# Altium PCB ESC_type_4_000.PcbDoc (part 2 of 3)
Units mil, origin at the board's own origin, x right, y up, seen from the top; angles counter-clockwise.
Board outline 2362.34 x 2362.34 mil, 4 copper layers (Top Layer, Signal Layer 1, Signal Layer 2, Bottom Layer), stack 65.634 mil thick; 132 components, 95 nets, 493 pads, 625 vias.
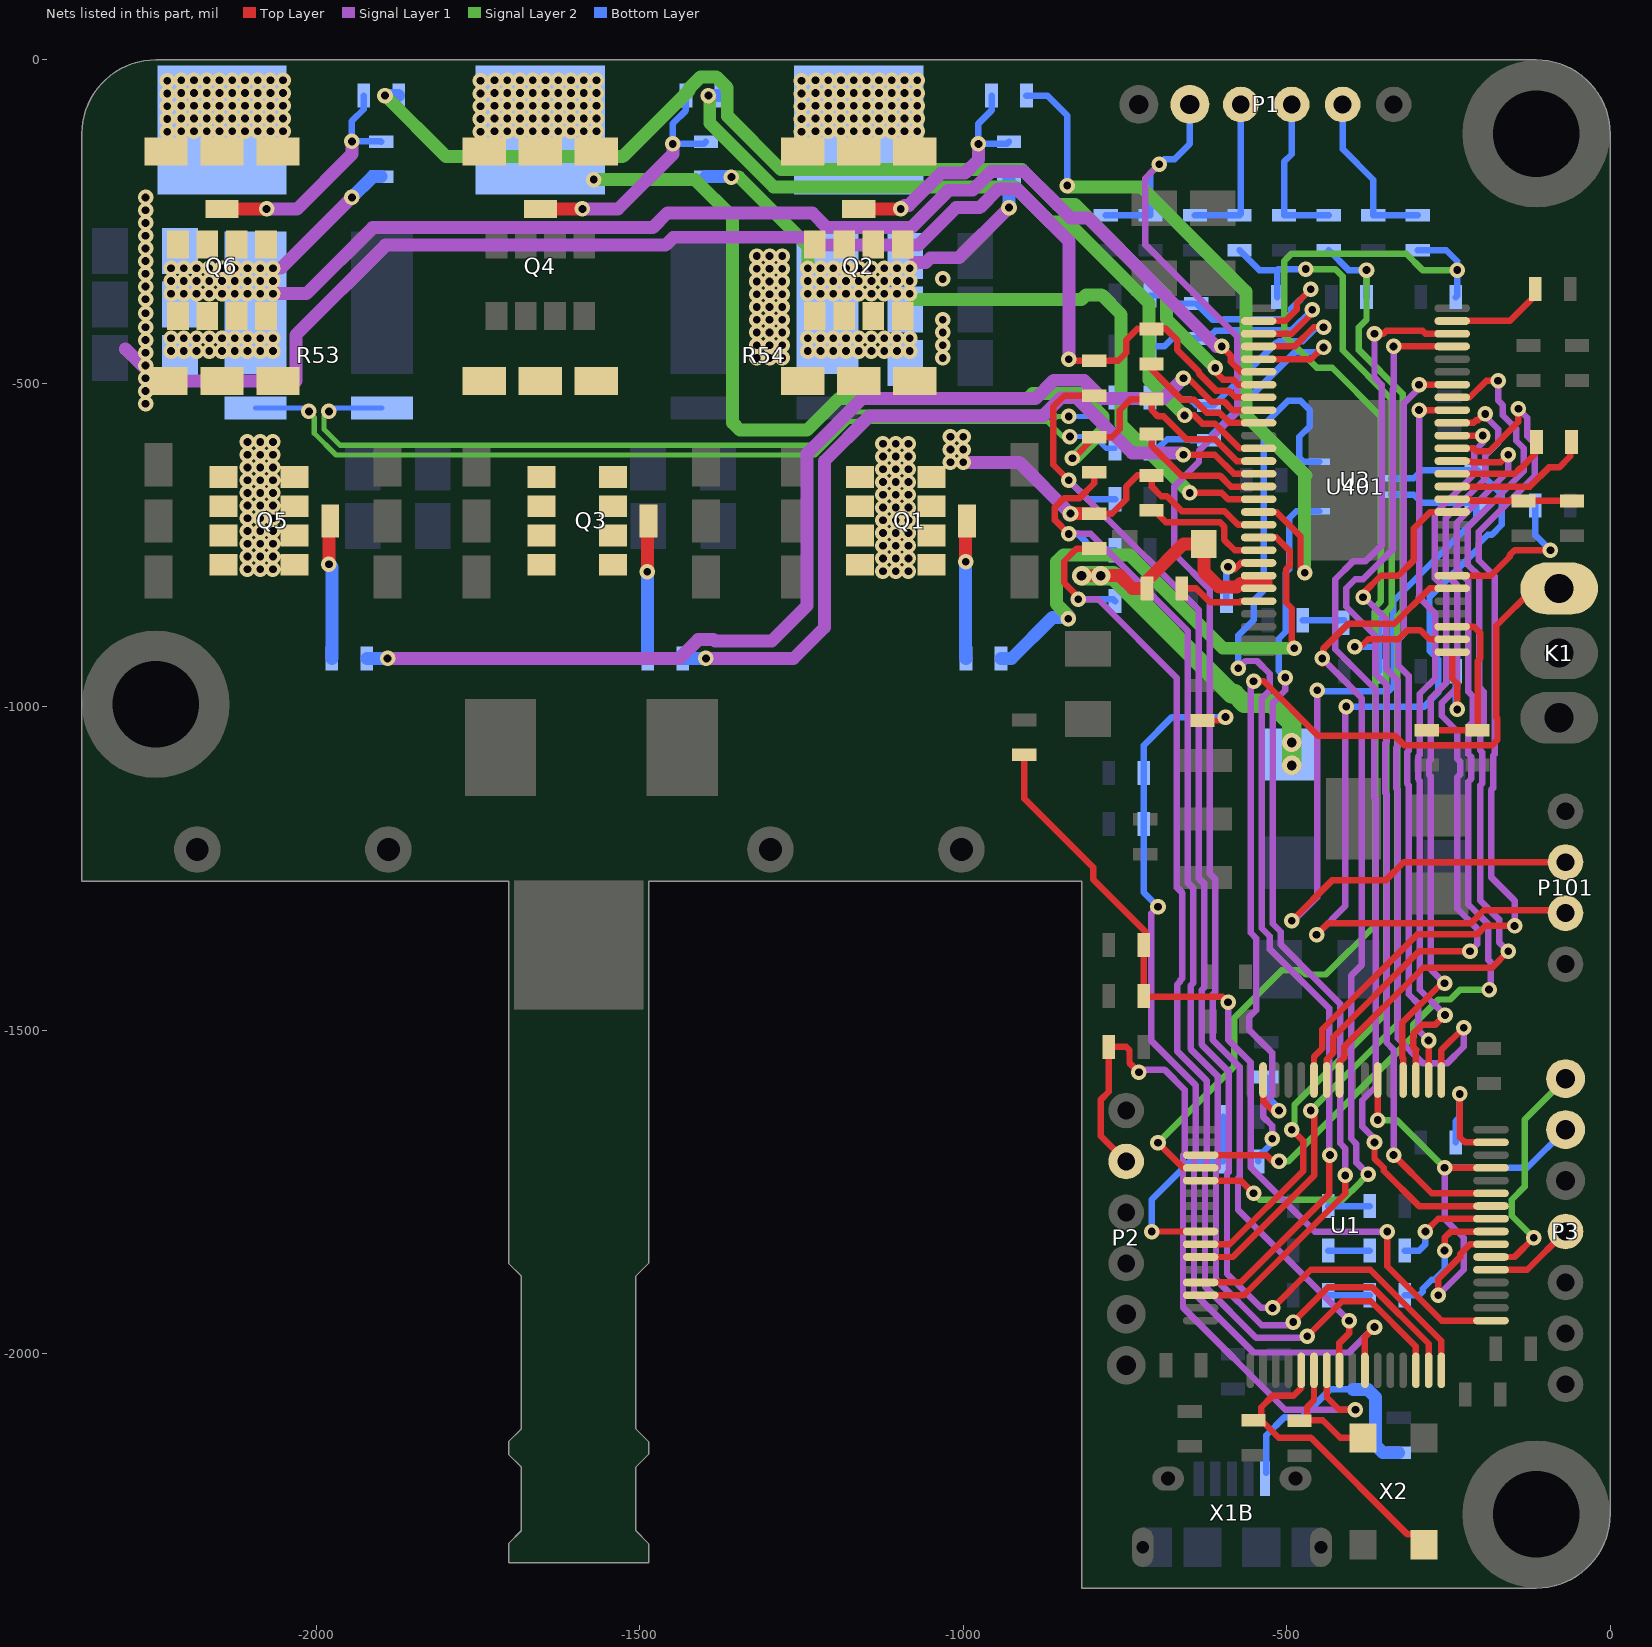
[diagram p4: the nets of this part, all layers, seen from the top]

## Via types
v1: diameter 24, hole 12, Top Layer to Bottom Layer, tented both sides, 613 vias
v2: diameter 30, hole 15, Top Layer to Bottom Layer, tented both sides, 10 vias
v3: diameter 50, hole 12, Top Layer to Bottom Layer, tented both sides, 2 vias

## Nets (pads, with @x,y where several pads share a name; then routed paths per layer and width w, separated by ;. In a path a pad name is that pad's centre, name@x,y a point inside that pad or via, vN(x,y) a via of type N, cw(c..) or ccw(c..) an arc to the next point about the centre after c; other vN are vias at no path point) (continued)
H1_VS: C28.2 P9.1 Q1.S Q2.D R32.2 U3.46 | length 570.6
  Top Layer w10: R32.2@-797.24,-701.35 -770.24,-701.35 -748.03,-679.13 -748.03,-659.45 -730.87,-642.29 C28.2@-708.66,-642.29 -708.66,-659.45 -693.66,-674.45 -684.99,-674.45 -662.06,-697.38 -596.26,-697.38 -575.13,-718.5 U3.46@-543.31,-718.5
  Top Layer w20: v1(-834.09,-701.35) R32.2@-797.24,-701.35
  Signal Layer 1 w20: v1(-1000,-622.05) -913.39,-622.05 v1(-834.09,-701.35) v1@-836.5,-703.76
  other v1: -1124.02,-790.35 -1104.33,-790.35 -1084.65,-790.35 -1124.02,-770.67 -1104.33,-770.67 -1084.65,-770.67 -1124.02,-750.98 -1104.33,-750.98 -1084.65,-750.98 -1124.02,-731.3 -1104.33,-731.3 -1084.65,-731.3 -1124.02,-711.61 -1104.33,-711.61 -1084.65,-711.61 -1124.02,-691.93 -1104.33,-691.93 -1084.65,-691.93 -1124.02,-672.24 -1104.33,-672.24 -1084.65,-672.24 -1124.02,-652.56 -1104.33,-652.56 -1084.65,-652.56 -1124.02,-632.87 -1104.33,-632.87 -1084.65,-632.87 -1019.69,-622.05 -1124.02,-613.19 -1104.33,-613.19 -1084.65,-613.19 -1019.69,-602.36 -1000,-602.36 -1124.02,-593.5 -1104.33,-593.5 -1084.65,-593.5 -1019.69,-582.68 -1000,-582.68 -1318.9,-460.63 -1299.21,-460.63 -1279.53,-460.63 -1031.5,-460.63 -1318.9,-440.94 -1299.21,-440.94 -1279.53,-440.94 -1031.5,-440.94 -1318.9,-421.26 -1299.21,-421.26 -1279.53,-421.26 -1031.5,-421.26 -1318.9,-401.57 -1299.21,-401.57 -1279.53,-401.57 -1031.5,-401.57 -1318.9,-381.89 -1299.21,-381.89 -1279.53,-381.89 -1318.9,-362.2 -1299.21,-362.2 -1279.53,-362.2 -1318.9,-342.52 -1299.21,-342.52 -1279.53,-342.52 -1031.5,-338.58 -1318.9,-322.83 -1299.21,-322.83 -1279.53,-322.83 -1318.9,-303.15 -1299.21,-303.15 -1279.53,-303.15 -1250,-111.02 -1228.35,-110.24 -1208.66,-110.24 -1188.98,-110.24 -1169.29,-110.24 -1149.61,-110.24 -1129.92,-110.24 -1110.24,-110.24 -1090.55,-110.24 -1070.87,-110.24 -1250,-91.34 -1228.35,-90.55 -1208.66,-90.55 -1188.98,-90.55 -1169.29,-90.55 -1149.61,-90.55 -1129.92,-90.55 -1110.24,-90.55 -1090.55,-90.55 -1070.87,-90.55 -1250,-71.65 -1228.35,-70.87 -1208.66,-70.87 -1188.98,-70.87 -1169.29,-70.87 -1149.61,-70.87 -1129.92,-70.87 -1110.24,-70.87 -1090.55,-70.87 -1070.87,-70.87 -1250,-51.97 -1228.35,-51.18 -1208.66,-51.18 -1188.98,-51.18 -1169.29,-51.18 -1149.61,-51.18 -1129.92,-51.18 -1110.24,-51.18 -1090.55,-51.18 -1070.87,-51.18 -1250,-32.28 -1228.35,-31.5 -1208.66,-31.5 -1188.98,-31.5 -1169.29,-31.5 -1149.61,-31.5 -1129.92,-31.5 -1110.24,-31.5 -1090.55,-31.5 -1070.87,-31.5
H2_VS: C29.2 P7.1 Q3.S Q4.D R26.2 U3.41 | length 1654.5
  Top Layer w10: v1(-831.14,-615.71) -831.14,-617.13 R26.2@-797.24,-583.24 -770.24,-583.24 -757.87,-570.87 -757.87,-541.34 -740.72,-524.18 C29.2@-708.66,-524.18 -708.66,-541.34 -698.82,-551.18 -690.15,-551.18 -655.24,-586.09 -611.04,-586.09 -577.05,-620.08 U3.41@-543.31,-620.08
  Signal Layer 1 w20: v1@-832.25,-615.71 v1(-831.14,-615.71)
  Signal Layer 2 w20: v1(-1570.87,-185.04) -1414.37,-185.04 -1356.3,-243.11 -1356.3,-561.02 -1345.02,-572.31 -1241.33,-572.31 -1192.08,-523.06 -900.25,-523.06 -892.94,-515.75 -818.9,-515.75 -783.46,-551.18 -783.46,-571.71 -827.47,-615.71 v1(-831.14,-615.71)
  other v1: -1746.06,-111.02 -1724.41,-110.24 -1704.72,-110.24 -1685.04,-110.24 -1665.35,-110.24 -1645.67,-110.24 -1625.98,-110.24 -1606.3,-110.24 -1586.61,-110.24 -1566.93,-110.24 -1746.06,-91.34 -1724.41,-90.55 -1704.72,-90.55 -1685.04,-90.55 -1665.35,-90.55 -1645.67,-90.55 -1625.98,-90.55 -1606.3,-90.55 -1586.61,-90.55 -1566.93,-90.55 -1746.06,-71.65 -1724.41,-70.87 -1704.72,-70.87 -1685.04,-70.87 -1665.35,-70.87 -1645.67,-70.87 -1625.98,-70.87 -1606.3,-70.87 -1586.61,-70.87 -1566.93,-70.87 -1746.06,-51.97 -1724.41,-51.18 -1704.72,-51.18 -1685.04,-51.18 -1665.35,-51.18 -1645.67,-51.18 -1625.98,-51.18 -1606.3,-51.18 -1586.61,-51.18 -1566.93,-51.18 -1746.06,-32.28 -1724.41,-31.5 -1704.72,-31.5 -1685.04,-31.5 -1665.35,-31.5 -1645.67,-31.5 -1625.98,-31.5 -1606.3,-31.5 -1586.61,-31.5 -1566.93,-31.5
H3_VS: C30.2 P6.1 Q5.S Q6.D R23.2 U3.36 | length 2249.5
  Top Layer w10: v1(-836.61,-462.6) -834.09,-465.13 R23.2@-797.24,-465.13 -760.4,-465.13 -748.03,-452.76 -748.03,-433.07 -730.87,-415.91 C30.2@-708.66,-415.91 -686.45,-415.91 -669.25,-433.11 -669.25,-448.38 -635.45,-482.18 -635.45,-484.91 -609.27,-511.09 -589.88,-511.09 -579.31,-521.65 U3.36@-543.31,-521.65
  Signal Layer 1 w20: -2294.49,-446.85 -2245.28,-496.06 -2031.5,-496.06 -2031.5,-425.2 -1892.61,-286.31 -1459.96,-286.31 -1447.8,-274.15 -1233.72,-274.15 -1221.56,-286.31 -1069.01,-286.31 -1011.18,-228.48 -974.53,-228.48 -945.39,-199.35 -917.12,-199.35 -836.61,-279.85 v1(-836.61,-462.6)
  other v1: -2106.3,-787.4 -2086.61,-787.4 -2066.93,-787.4 -2106.3,-767.72 -2086.61,-767.72 -2066.93,-767.72 -2106.3,-748.03 -2086.61,-748.03 -2066.93,-748.03 -2106.3,-728.35 -2086.61,-728.35 -2066.93,-728.35 -2106.3,-708.66 -2086.61,-708.66 -2066.93,-708.66 -2106.3,-688.98 -2086.61,-688.98 -2066.93,-688.98 -2106.3,-669.29 -2086.61,-669.29 -2066.93,-669.29 -2106.3,-649.61 -2086.61,-649.61 -2066.93,-649.61 -2106.3,-629.92 -2086.61,-629.92 -2066.93,-629.92 -2106.3,-610.24 -2086.61,-610.24 -2066.93,-610.24 -2106.3,-590.55 -2086.61,-590.55 -2066.93,-590.55 -2263.78,-531.5 -2263.78,-511.81 -2263.78,-492.13 -2263.78,-472.44 -2263.78,-452.76 -2263.78,-433.07 -2263.78,-413.39 -2263.78,-391.73 -2263.78,-370.08 -2263.78,-350.39 -2263.78,-330.71 -2263.78,-311.02 -2263.78,-291.34 -2263.78,-271.65 -2263.78,-251.97 -2263.78,-232.28 -2263.78,-212.6 -2230.32,-111.02 -2208.66,-110.24 -2188.98,-110.24 -2169.29,-110.24 -2149.61,-110.24 -2129.92,-110.24 -2110.24,-110.24 -2090.55,-110.24 -2070.87,-110.24 -2051.18,-110.24 -2230.32,-91.34 -2208.66,-90.55 -2188.98,-90.55 -2169.29,-90.55 -2149.61,-90.55 -2129.92,-90.55 -2110.24,-90.55 -2090.55,-90.55 -2070.87,-90.55 -2051.18,-90.55 -2230.32,-71.65 -2208.66,-70.87 -2188.98,-70.87 -2169.29,-70.87 -2149.61,-70.87 -2129.92,-70.87 -2110.24,-70.87 -2090.55,-70.87 -2070.87,-70.87 -2051.18,-70.87 -2230.32,-51.97 -2208.66,-51.18 -2188.98,-51.18 -2169.29,-51.18 -2149.61,-51.18 -2129.92,-51.18 -2110.24,-51.18 -2090.55,-51.18 -2070.87,-51.18 -2051.18,-51.18 -2230.32,-32.28 -2208.66,-31.5 -2188.98,-31.5 -2169.29,-31.5 -2149.61,-31.5 -2129.92,-31.5 -2110.24,-31.5 -2090.55,-31.5 -2070.87,-31.5 -2051.18,-31.5
NetC2_1: C2.1 R3.1 R4.2 U1.10 | length 1481.9
  Top Layer w10: R3.1@-629.92,-1021.09 -597.87,-1021.09 -592.52,-1015.75 v1(-594.49,-1015.75) ; U1.10@-378.94,-2025.59 -378.94,-1973.43 v1(-364.17,-1958.66)
  Signal Layer 1 w10: v1(-698.82,-1309.06) -709.04,-1319.27 -709.04,-1516.44 -640.82,-1584.66 -640.82,-1697.97 -643.18,-1700.33 -643.18,-1906.03 -551.18,-1998.03 -403.54,-1998.03 v1(-364.17,-1958.66)
  Bottom Layer w10: v1(-698.82,-1309.06) -721.02,-1286.85 R4.2@-721.02,-1181.11 C2.1@-721.02,-1102.37 -721.02,-1059.6 -677.17,-1015.75 v1(-594.49,-1015.75)
NetC3_2: C3.2 R5.2 U1.57 | length 329.2
  Top Layer w10: v1(-708.66,-1811.02) U1.57@-632.87,-1811.02
  Bottom Layer w10: v1(-708.66,-1811.02) -708.47,-1810.83 -708.47,-1761.62 -649.61,-1702.76 R5.2@-597.87,-1702.76 C3.2@-597.87,-1633.86
NetC4_2: C4.2 P1.2 R7.1 U1.8 | length 2370.6
  Top Layer w10: U1.8@-418.31,-2025.59 -418.31,-1983.27 -403.54,-1968.5 v1(-403.54,-1948.81)
  Signal Layer 1 w10: v1(-696.85,-161.42) -718.5,-183.07 -718.5,-285.43 -576.39,-427.54 -576.39,-544.9 -635.45,-603.95 -635.45,-621.19 -673.61,-659.35 -673.61,-763.4 -618.49,-818.52 -618.49,-1258.21 -610.04,-1266.66 -610.04,-1440.51 -614.55,-1445.02 -614.55,-1446.75 -614.55,-1514.76 -572.82,-1556.5 -572.82,-1726.13 -575.18,-1728.5 -575.18,-1777.18 v1(-403.54,-1948.81)
  Bottom Layer w10: R7.1@-779.53,-240.16 C4.2@-710.63,-240.16 -710.63,-175.2 v1(-696.85,-161.42) -688.98,-153.54 -673.23,-153.54 -649.6,-129.92 P1.2@-649.6,-68.89
NetC5_2: C5.2 R10.1 U1.52 | length 2120
  Top Layer w10: v1(-698.82,-1673.94) -660.16,-1712.6 U1.52@-632.87,-1712.6
  Signal Layer 2 w10: v1(-698.82,-1673.94) -580.61,-1555.74 -580.61,-1480.69 -507.4,-1407.48 -476.85,-1407.48 -470.57,-1413.76 -439.35,-1413.76 -363.12,-1337.53 -363.12,-845.88 -354.33,-837.09 -354.33,-551.18 -429.51,-476 -453.13,-476 -503.94,-425.2 -503.94,-311.02 -492.24,-299.33 -460.33,-299.33 -460.07,-299.59 -315.06,-299.59 -289.85,-324.8 v1(-236.22,-324.8)
  Bottom Layer w10: R10.1@-297.24,-294.16 -253.09,-294.16 -236.22,-311.02 v1(-236.22,-324.8) -236.22,-364.17 C5.2@-238.75,-366.7
NetC6_2: C6.2 R9.1 U1.59 | length 1834.6
  Top Layer w10: U1.59@-632.87,-1850.39 -583.43,-1850.39 -457.07,-1724.03 -457.07,-1629.54 v1(-462.6,-1624.02)
  Signal Layer 2 w10: v1(-462.6,-1624.02) -329.12,-1490.54 -329.12,-859.96 -320.33,-851.17 -320.33,-516.28 -388.17,-448.44 -388.17,-413.29 -376.54,-401.66 v1(-376.54,-324.8)
  Bottom Layer w10: R9.1@-435.04,-294.16 -404.39,-324.8 v1(-376.54,-324.8) C6.2@-376.54,-366.7
NetC7_2: C7.2 R8.1 U1.58 | length 1910.7
  Top Layer w10: U1.58@-632.87,-1830.71 -587.79,-1830.71 -474.07,-1716.99 -474.07,-1671.6 v1(-492.13,-1653.54)
  Signal Layer 2 w10: v1(-492.13,-1653.54) -487.81,-1649.23 -487.81,-1615.29 -346.12,-1473.59 -346.12,-852.92 -337.33,-844.13 -337.33,-524.87 -413.39,-448.82 -413.39,-334.65 -424.7,-323.33 v1(-470.27,-323.33)
  Bottom Layer w10: R8.1@-572.84,-294.16 -542.19,-324.8 -514.34,-324.8 ; C7.2@-514.34,-366.7 -514.34,-324.8 ; v1(-470.27,-323.33) -512.87,-323.33 -514.34,-324.8
NetC15_2: C15.2 U1.6 X2.1 | length 159.9
  Top Layer w10: U1.6@-457.68,-2025.59 -457.68,-2071.85 -468.5,-2082.68 -468.5,-2102.92 -444.32,-2102.92 -417.32,-2129.92 X2.1@-401.57,-2129.92
NetC16_2: C16.2 U1.31 | length 195.9
  Top Layer w10: v1(-232.28,-1598.42) -232.28,-1665.35 -224.41,-1673.23 U1.31@-184.06,-1673.23
  Bottom Layer w10: C16.2@-238.75,-1673.23 -238.75,-1640.32 -232.28,-1633.86 v1(-232.28,-1598.42)
NetC17_2: C17.2 U1.47 | length 123.1
  Top Layer w10: U1.47@-536.42,-1576.77 -536.42,-1609.25 -521.65,-1624.02 v1(-511.81,-1624.02)
  Bottom Layer w10: C17.2@-531.5,-1572.28 -531.5,-1600.71 -511.81,-1620.4 v1(-511.81,-1624.02)
NetC18_1: C18.1 C26.2 U3.13 | length 186.1
  Top Layer w10: U3.13@-244.09,-679.13 -216.55,-679.13 -214.02,-681.66 C26.2@-133.86,-681.66 C18.1@-59.06,-681.66
NetC19_2: C19.2 R19.2 U3.2 | length 285.6
  Top Layer w10: v1(-394.52,-907.18) -387.5,-907.18 -385.83,-905.51 -384.85,-906.5 -374.02,-895.67 -327.25,-895.67 -313.09,-881.51 -293.21,-881.51 -279.05,-895.67 U3.2@-244.09,-895.67
  Bottom Layer w10: v1(-394.52,-907.18) -360.51,-907.18 -358.84,-905.51 -357.85,-906.5 -356.86,-905.51 ; C19.2@-356.86,-944.88 -356.86,-905.51 ; R19.2@-356.86,-866.14 -356.86,-905.51
NetC21_2: C21.2 R19.1 | length 64.1
  Bottom Layer w10: C21.2@-474.97,-866.14 R19.1@-410.86,-866.14
NetC22_1: C22.1 U3.14 | length 214.2
  Top Layer w10: U3.14@-244.09,-659.45 -124.02,-659.45 -94.49,-629.92 -78.74,-629.92 -61.58,-612.76 C22.1@-61.58,-600.39
NetC22_2: C22.2 U3.15 | length 149.8
  Top Layer w10: U3.15@-244.09,-639.76 -147.58,-639.76 -139.25,-631.43 -138.1,-631.43 -115.58,-608.92 C22.2@-115.58,-600.39
NetC23_2: C23.2 U3.27 | length 154.7
  Top Layer w10: U3.27@-244.09,-403.54 -154.95,-403.54 -115.58,-364.17 C23.2@-115.58,-354.33
NetC27_1: C27.1 U3.52 | length 128.3
  Top Layer w10: C27.1@-661.98,-816.93 -639.76,-816.93 -618.29,-838.4 -572.38,-838.4 -570.6,-836.61 U3.52@-543.31,-836.61
NetC27_2: C27.2 D4.1 L1.1 U3.50 U3.51 | length 870.1
  Top Layer w20: v2(-816.93,-797.24) v2(-787.4,-797.24) -757.87,-797.24 -738.19,-816.93 C27.2@-715.98,-816.93 -715.98,-804.56 -659.45,-748.03 D4.1@-627.95,-748.03 -627.95,-791 -604.34,-814.61 -576.75,-814.61 -571.54,-809.4 -533.81,-809.4 -531.5,-807.09
  Signal Layer 2 w30: v2(-816.93,-797.24) v2(-787.4,-797.24) -767.72,-797.24 -585.18,-979.78 -580.11,-979.78 -565.26,-994.63 -522.25,-994.63 -492.13,-1024.75 v2(-492.13,-1055.12) v2(-492.13,-1090.55)
NetC28_1: C28.1 U3.48 | length 202.9
  Top Layer w10: C28.1@-708.66,-696.29 -705.13,-696.29 -687.04,-714.38 -603.3,-714.38 -596.27,-721.41 -596.27,-741.99 -580.38,-757.87 U3.48@-543.31,-757.87
NetC29_1: C29.1 U3.43 | length 209.9
  Top Layer w10: C29.1@-708.66,-578.18 -708.66,-596.78 -662.87,-642.56 -603.08,-642.56 -586.19,-659.45 U3.43@-543.31,-659.45
NetC30_1: C30.1 U3.38 | length 208.2
  Top Layer w10: C30.1@-708.66,-469.91 -708.66,-478.67 -661.77,-525.56 -642.88,-525.56 -623.35,-545.09 -603.96,-545.09 -588.02,-561.02 U3.38@-543.31,-561.02
NetC34_1: C34.1 R49.1 U3.32 | length 436
  Top Layer w10: U3.32@-543.31,-442.91 -487.77,-442.91 -458.24,-413.39 v1(-442.91,-413.39)
  Bottom Layer w10: R49.1@-711.19,-521.65 -688.98,-521.65 -685.07,-525.56 -647.89,-525.56 -639.42,-534.02 C34.1@-620.08,-534.02 -612.76,-534.02 -516.28,-437.54 -514.41,-437.54 -511.45,-434.58 -475.01,-434.58 -453.81,-413.39 v1(-442.91,-413.39)
NetC34_2: C34.2 R48.1 U3.33 | length 456.9
  Top Layer w10: U3.33@-543.31,-462.6 -462.6,-462.6 -444.39,-444.39 v1(-442.91,-444.39)
  Bottom Layer w10: R48.1@-711.19,-600.39 -698.82,-600.39 -684.66,-586.24 -649.51,-586.24 -647.72,-588.02 C34.2@-620.08,-588.02 -608.83,-588.02 -616.14,-580.71 -487.02,-451.58 -450.41,-451.58 -443.21,-444.39 v1(-442.91,-444.39)
NetC36_1: C36.1 R51.1 U3.30 | length 394.4
  Top Layer w10: U3.30@-543.31,-403.54 -501.97,-403.54 -484.39,-385.97 -484.39,-376.12 v1(-462.6,-354.33)
  Bottom Layer w10: R51.1@-711.19,-364.17 -688.98,-364.17 -676.61,-376.54 C36.1@-639.76,-376.54 -614.39,-401.91 -597.49,-401.91 -596.16,-400.58 -502.71,-400.58 -492.5,-390.37 -492.5,-384.23 v1(-462.6,-354.33)
NetC36_2: C36.2 R50.1 U3.31 | length 375.8
  Top Layer w10: U3.31@-543.31,-423.23 -492.13,-423.23 -460.39,-391.49 v1(-460.39,-386.06)
  Bottom Layer w10: R50.1@-711.19,-442.91 -688.98,-442.91 -676.61,-430.54 C36.2@-639.76,-430.54 -621.96,-430.54 -610.33,-418.91 -590.45,-418.91 -589.12,-417.58 -491.91,-417.58 v1(-460.39,-386.06)
NetC38_1: C38.1 U1.5 X2.3 | length 437.1
  Top Layer w10: U1.5@-477.36,-2025.59 -477.36,-2052.88 -489.63,-2065.15 -521.84,-2065.15 -539.37,-2082.68 -539.37,-2102.92 -512.37,-2129.92 -462.36,-2129.92 -313.03,-2279.25 X2.3@-297.2,-2279.25
NetC41_2: C41.2 R1.1 R2.2 U1.17 | length 1357.3
  Top Layer w10: R1.1@-905.51,-1074.24 -905.51,-1141.73 -799.21,-1248.03 -799.21,-1266.64 -718.5,-1347.35 -718.5,-1365.58 R2.2@-721.03,-1368.11 C41.2@-721.03,-1446.85 -721.03,-1448.02 -599.22,-1448.02 v1(-590.55,-1456.69) ; v1(-344.49,-1811.02) -344.49,-1864.65 -260.32,-1948.82 U1.17@-184.06,-1948.82
  Signal Layer 1 w10: v1(-590.55,-1456.69) -590.55,-1514.72 -555.82,-1549.45 -555.82,-1711.9 -456.69,-1811.02 v1(-344.49,-1811.02)
NetC102_2: C102.2 C103.2 C109.2 Q2.S R30.2 R36.2 R54.2 U3.44 | length 1252.3
  Top Layer w10: v1(-649.61,-669.29) -600.4,-669.29 -590.55,-679.13 U3.44@-543.31,-679.13
  Signal Layer 1 w20: v1(-1082.68,-322.05) -1073.94,-313.31 -1057.83,-313.31 -1050.35,-305.83 -1006.62,-305.83 v1(-929.13,-228.35)
  Signal Layer 2 w20: v1(-1358.27,-181.1) -1346.46,-181.1 -1240.16,-287.4 v1(-1240.16,-322.05) ; v1@-1082.68,-362.2 -1074.8,-370.08 -816.79,-370.08 -809.94,-363.23 -785.92,-363.23 -755.91,-393.24 -755.91,-562.99 v1(-649.61,-669.29)
  Bottom Layer w20: R36.2@-1397.64,-180.54 -1358.83,-180.54 v1(-1358.27,-181.1) ; v1(-929.13,-228.35) R30.2@-929.13,-180.54
  other v1: -1240.16,-450 -1220.47,-450 -1200.79,-450 -1181.1,-450 -1161.42,-450 -1141.73,-450 -1122.05,-450 -1102.36,-450 -1082.68,-450 -1240.16,-430.31 -1220.47,-430.31 -1200.79,-430.31 -1181.1,-430.31 -1161.42,-430.31 -1141.73,-430.31 -1122.05,-430.31 -1102.36,-430.31 -1082.68,-430.31 -1240.16,-361.42 -1220.47,-361.42 -1200.79,-361.42 -1181.1,-361.42 -1161.42,-361.42 -1141.73,-361.42 -1122.05,-361.42 -1102.36,-361.42 -1082.68,-361.42 -1240.16,-341.73 -1220.47,-341.73 -1200.79,-341.73 -1181.1,-341.73 -1161.42,-341.73 -1141.73,-341.73 -1122.05,-341.73 -1102.36,-341.73 -1082.68,-341.73 -1220.47,-322.05 -1200.79,-322.05 -1181.1,-322.05 -1161.42,-322.05 -1141.73,-322.05 -1122.05,-322.05 -1102.36,-322.05
NetC106_2: C106.2 C107.2 C108.2 Q6.S R46.2 R53.1 U3.34 | length 1980.5
  Top Layer w10: v1(-600.39,-442.91) -586.24,-457.07 -586.24,-466.65 -570.6,-482.28 U3.34@-543.31,-482.28
  Signal Layer 1 w20: v1(-2066.93,-361.42) -2014.96,-361.42 -1912.86,-259.31 -1479.79,-259.31 -1457.25,-236.78 -1232.91,-236.78 -1210.38,-259.31 -1080.2,-259.31 -1022.36,-201.48 -985.71,-201.48 -956.58,-172.35 -905.94,-172.35 -834.19,-244.09 -807.09,-244.09 -608.27,-442.91 v1(-600.39,-442.91) ; v1(-2066.93,-322.05) -2054.33,-322.05 v1(-1944.88,-212.6)
  Bottom Layer w20: v1(-1944.88,-212.6) -1912.83,-180.54 R46.2@-1899.61,-180.54
  other v1: -2224.41,-450 -2204.72,-450 -2185.04,-450 -2165.35,-450 -2145.67,-450 -2125.98,-450 -2106.3,-450 -2086.61,-450 -2066.93,-450 -2224.41,-430.31 -2204.72,-430.31 -2185.04,-430.31 -2165.35,-430.31 -2145.67,-430.31 -2125.98,-430.31 -2106.3,-430.31 -2086.61,-430.31 -2066.93,-430.31 -2224.41,-361.42 -2204.72,-361.42 -2185.04,-361.42 -2165.35,-361.42 -2145.67,-361.42 -2125.98,-361.42 -2106.3,-361.42 -2086.61,-361.42 -2224.41,-341.73 -2204.72,-341.73 -2185.04,-341.73 -2165.35,-341.73 -2145.67,-341.73 -2125.98,-341.73 -2106.3,-341.73 -2086.61,-341.73 -2066.93,-341.73 -2224.41,-322.05 -2204.72,-322.05 -2185.04,-322.05 -2165.35,-322.05 -2145.67,-322.05 -2125.98,-322.05 -2106.3,-322.05 -2086.61,-322.05
NetD1_1: D1.1 R37.1 | length 64.1
  Bottom Layer w10: D1.1@-435.6,-1909.46 R37.1@-371.49,-1909.46
NetD2_1: D2.1 R38.1 | length 64.1
  Bottom Layer w10: D2.1@-435.6,-1840.56 R38.1@-371.49,-1840.56
NetD3_1: D3.1 R22.1 | length 64.1
  Bottom Layer w10: D3.1@-435.6,-1771.66 R22.1@-371.49,-1771.66
NetK1_1: K1.1 R5.1 | length 1515.9
  Top Layer w10: v1(-551.18,-960.63) -535.43,-960.63 -451.12,-1044.94 -332.47,-1044.94 -318.35,-1059.06 -182.27,-1059.06 -174.02,-1050.81 -174.02,-1018.04 -175.91,-1016.15 -175.91,-874.73 -118.11,-816.93 K1.1@-78.74,-816.93
  Signal Layer 1 w10: v1(-551.18,-960.63) -555.65,-956.15 -555.65,-1349.21 -546.87,-1357.99 -546.87,-1468.65 -557.7,-1479.49 -557.7,-1499.37 -546.87,-1510.21 -522.05,-1535.03 -522.05,-1600.32 -535.81,-1614.07 -535.81,-1633.96 -522.05,-1647.72 v1(-522.05,-1667.46)
  Bottom Layer w10: R5.1@-543.87,-1702.76 -543.87,-1695.44 -521.65,-1673.23 -522.05,-1672.83 v1(-522.05,-1667.46)
NetP1_3: P1.3 R8.2 R13.1 | length 241
  Bottom Layer w10: R13.1@-641.73,-240.16 R8.2@-572.84,-240.16 -570.86,-238.18 P1.3@-570.86,-68.89
NetP1_4: P1.4 R9.2 R12.1 | length 245.1
  Bottom Layer w10: P1.4@-492.12,-68.89 -492.12,-145.66 -503.94,-157.48 R12.1@-503.94,-240.16 R9.2@-435.04,-240.16
NetP1_5: P1.5 R10.2 R11.1 | length 259.7
  Bottom Layer w10: P1.5@-413.38,-68.89 -413.38,-137.8 -366.14,-185.04 R11.1@-366.14,-240.16 R10.2@-297.24,-240.16
NetP3_4: P3.4 U1.21 | length 139.6
  Top Layer w10: U1.21@-184.06,-1870.08 -127.95,-1870.08 P3.4@-68.9,-1811.02
NetP3_7: P3.7 U1.22 | length 372.5
  Top Layer w10: U1.22@-184.06,-1850.39 -147.83,-1850.39 v1(-118.11,-1820.68)
  Signal Layer 2 w10: v1(-118.11,-1820.68) -151.95,-1786.83 -151.95,-1761.71 -132.27,-1742.03 -132.27,-1638.18 P3.7@-68.9,-1574.8
NetP101_2: P101.2 R401.1 U401.6 | length 1479.3
  Top Layer w10: v1(-453.62,-1352.19) -436.27,-1334.83 -215.5,-1334.83 -195.25,-1314.58 -73.22,-1314.58 P101.2@-68.9,-1318.9
  Signal Layer 1 w10: v1(-453.62,-1352.19) -409.02,-1307.58 -409.02,-1000.92 v1(-407.68,-999.58)
  Bottom Layer w10: v1(-407.68,-999.58) -286.98,-999.58 -265.75,-978.35 -265.75,-926.37 -279.15,-912.97 -279.15,-830.33 -203.13,-754.31 -203.13,-747.93 -189.08,-733.87 -182.69,-733.87 -167.32,-718.5 -167.32,-671.82 R401.1@-206.69,-632.45 -208.69,-634.45 -291.34,-634.45 -303.54,-646.65 U401.6@-337.8,-646.65
NetP101_3: P101.3 R401.2 U401.7 | length 1428.8
  Top Layer w10: v1(-492.13,-1330.71) -429.13,-1267.72 -346.46,-1267.72 -318.9,-1240.16 P101.3@-68.9,-1240.16
  Signal Layer 1 w10: v1(-492.13,-1330.71) -489.16,-1330.71 -452.76,-1294.31 v1(-452.76,-974.41)
  Bottom Layer w10: v1(-452.76,-974.41) -451.58,-975.58 -342.05,-975.58 -334.65,-968.18 -334.65,-894.6 -335.02,-894.23 -335.02,-836.98 -206.69,-708.66 R401.2@-206.69,-686.45 -208.69,-684.45 -291.34,-684.45 -303.54,-672.24 U401.7@-337.8,-672.24
NetQ1_G: Q1.G R28.2 | length 223
  Top Layer w20: v1(-996.06,-775.59) Q1.G@-996.06,-730.33 ; Q1.G@-994.09,-712.6 Q1.G@-996.06,-714.57 ; Q1.G@-996.06,-714.58 Q1.G@-992.13,-718.52 ; Q1.G@-996.06,-714.58 Q1.G@-992.13,-718.52 ; Q1.G@-992.13,-718.52 -996.06,-722.45 Q1.G@-992.13,-718.52
  Bottom Layer w10: R28.2@-993.54,-923.23 R28.2@-991.57,-925.2
  Bottom Layer w20: v1(-996.06,-775.59) -996.06,-924.64 R28.2@-995.5,-925.2
NetQ2_G: Q2.G R29.2 R30.1 | length 372.5
  Top Layer w20: Q2.G@-1161.42,-230.31 v1(-1096.46,-230.31)
  Signal Layer 1 w20: v1(-1096.46,-230.31) -1090.98,-224.83 -1083.9,-224.83 -1033.55,-174.48 -996.9,-174.48 -976.38,-153.96 v1(-976.38,-129.92)
  Bottom Layer w10: R29.2@-956.13,-55.12 -956.13,-78.18 -976.38,-98.43 v1(-976.38,-129.92) -932.51,-129.92 R30.1@-929.13,-126.54
NetQ3_G: Q3.G R34.2 | length 216.4
  Top Layer w20: Q3.G@-1488.19,-714.57 Q3.G@-1486.22,-712.6 ; v1(-1488.19,-791.34) Q3.G@-1488.19,-714.57
  Bottom Layer w10: R34.2@-1485.66,-923.23 R34.2@-1483.69,-925.2
  Bottom Layer w20: v1(-1488.19,-791.34) -1487.63,-791.89 R34.2@-1487.63,-925.2
NetQ4_G: Q4.G R35.2 R36.1 | length 391.3
  Top Layer w20: Q4.G@-1653.54,-230.31 v1(-1588.58,-230.31)
  Signal Layer 1 w20: v1(-1588.58,-230.31) -1533.46,-230.31 -1448.82,-145.67 v1(-1448.82,-129.92)
  Bottom Layer w10: R35.2@-1428.57,-55.12 -1428.57,-78.18 -1448.82,-98.43 v1(-1448.82,-129.92) -1401.02,-129.92 R36.1@-1397.64,-126.54
NetQ5_G: Q5.G R42.2 | length 215.3
  Top Layer w20: v1(-1980.32,-779.53) -1980.32,-714.57 Q5.G@-1978.35,-712.6
  Bottom Layer w20: v1(-1980.32,-779.53) -1975.82,-784.02 R42.2@-1975.82,-925.2
NetQ6_G: Q6.G R43.2 R46.1 | length 379.5
  Top Layer w20: Q6.G@-2145.67,-230.31 v1(-2076.77,-230.31)
  Signal Layer 1 w20: v1(-2076.77,-230.31) -2029.53,-230.31 -1944.88,-145.67 v1(-1944.88,-125.98)
  Bottom Layer w10: R43.2@-1926.61,-55.12 -1926.61,-76.21 -1944.88,-94.49 v1(-1944.88,-125.98) -1900.17,-125.98 R46.1@-1899.61,-126.54
NetR6_1: R6.1 X1B.1 | length 376.1
  Bottom Layer w10: X1B.1@-531.5,-2183.92 -531.5,-2125.98 -503.94,-2098.43 -476.38,-2098.43 -433.07,-2055.12 -397.64,-2055.12
  Bottom Layer w20: -397.64,-2055.12 -374.55,-2055.12 -362.47,-2067.2 -362.47,-2141.46 -350.95,-2152.98 R6.1@-326.77,-2152.98
NetR17_1: R17.1 R18.2 U3.3 | length 277.9
  Top Layer w10: R18.2@-283.46,-1035.99 R17.1@-204.72,-1035.99 -204.72,-929.13 -200.79,-925.2 -200.79,-885.83 -210.63,-875.98 U3.3@-244.09,-875.98
NetR20_2: R20.2 U3.7 | length 248.2
  Top Layer w10: U3.7@-244.09,-797.24 -184.56,-797.24 -155.13,-767.82 -155.13,-765.37 -147.69,-757.93 v1(-92.2,-757.93)
  Bottom Layer w10: R20.2@-115.58,-688.98 -115.58,-734.55 v1(-92.2,-757.93)
NetR21_2: R21.2 U3.1 | length 151.9
  Top Layer w10: U3.1@-244.09,-915.35 -244.09,-956.69 -236.22,-964.57 v1(-236.22,-1003.94)
  Bottom Layer w10: R21.2@-238.75,-944.88 -238.75,-1001.41 v1(-236.22,-1003.94)
NetR23_1: R23.1 R24.1 U1.16 | length 2080.4
  Top Layer w10: v1(-836.61,-649.6) -860.61,-625.6 -860.61,-535.81 -843.93,-519.13 R23.1@-797.24,-519.13 ; v1(-521.65,-1929.13) -462.6,-1870.08 -370.73,-1870.08 -260.83,-1979.98 U1.16@-260.83,-2025.59
  Signal Layer 1 w10: v1(-836.61,-649.6) -836.61,-650.08 -714.67,-772.03 -714.19,-772.03 -635.49,-850.73 -635.49,-1265.25 -627.04,-1273.7 -627.04,-1433.47 -631.55,-1437.98 -631.55,-1439.71 -631.55,-1521.81 -589.82,-1563.54 -589.82,-1719.09 -592.18,-1721.45 -592.18,-1876.32 -539.37,-1929.13 v1(-521.65,-1929.13)
  Bottom Layer w10: v1(-836.61,-649.6) -807.08,-679.13 R24.1@-765.19,-679.13
NetR25_1: R25.1 U3.49 | length 111.1
  Top Layer w10: v1(-590.55,-783.46) -584.36,-783.46 -580.43,-787.39 -570.6,-777.56 U3.49@-543.31,-777.56
  Signal Layer 1 w10: v1@-590.55,-787.39 v1(-590.55,-783.46)
  Bottom Layer w10: R25.1@-593.08,-836.61 -593.08,-789.92 -590.55,-787.39 v1(-590.55,-783.46)
NetR26_1: R26.1 R27.1 U1.15 | length 1957.6
  Top Layer w10: v1(-836.61,-732.76) -858.09,-711.29 -858.09,-691.41 -844.03,-677.35 -820.15,-677.35 -797.24,-654.45 R26.1@-797.24,-637.24 ; v1(-489.89,-1951.05) -435.76,-1896.92 -367.93,-1896.92 -280.51,-1984.34 U1.15@-280.51,-2025.59
  Signal Layer 1 w10: v1(-836.61,-732.76) -802.67,-732.76 -652.49,-882.95 -652.49,-1272.29 -644.04,-1280.74 -644.04,-1426.43 -648.55,-1430.94 -648.55,-1432.67 -648.55,-1528.85 -606.82,-1570.58 -606.82,-1712.05 -609.18,-1714.41 -609.18,-1885.33 -538.54,-1955.98 -494.81,-1955.98 v1(-489.89,-1951.05)
  Bottom Layer w10: v1(-836.61,-732.76) -822.36,-732.76 -797.24,-757.87 R27.1@-765.19,-757.87
NetR28_1: R28.1 U3.47 | length 878.3
  Top Layer w10: U3.47@-543.31,-738.19 -516.02,-738.19 -495.54,-758.67 -495.54,-782.15 -500.38,-786.99 -500.38,-839.29 -492.13,-847.54 -492.13,-905.51 v1(-488.19,-909.45)
  Signal Layer 1 w20: v1(-837.45,-863.87) v1@-835.78,-862.2
  Signal Layer 2 w20: v1(-837.45,-863.87) -837.45,-859.4 -855.49,-841.36 -855.49,-775.59 -845.14,-765.24 -742.65,-765.24 -598.45,-909.45 v1(-488.19,-909.45)
  Bottom Layer w20: R28.1@-941.5,-925.2 -925.2,-925.2 -862.2,-862.2 -836.29,-862.2 -835.47,-863.03 -836.32,-863.87 v1(-837.45,-863.87)
NetR29_1: R29.1 U3.45 | length 1144.5
  Top Layer w10: U3.45@-543.31,-698.82 -516.02,-698.82 -478.54,-736.3 -478.54,-784.69 -470.6,-792.62 v1(-472.06,-792.62)
  Top Layer w20: v1(-839.14,-194.32) v1@-839.14,-192.91
  Signal Layer 2 w20: v1(-839.14,-194.32) -837.14,-196.32 -724.94,-196.32 -562.99,-358.27 -562.99,-549.21 -470.21,-642 -472.06,-643.86 v1(-472.06,-792.62)
  Bottom Layer w10: R29.1@-902.13,-55.12 -870.08,-55.12 -839.14,-86.06 v1(-839.14,-194.32)
NetR32_1: R32.1 R33.1 U1.14 | length 1798.7
  Top Layer w10: v1(-822.01,-833.82) -822.01,-830.34 -843.93,-808.43 -843.93,-775.03 -824.24,-755.35 R32.1@-797.24,-755.35 ; v1(-467.97,-1972.97) -413.84,-1918.84 -370.05,-1918.84 -300.2,-1988.7 U1.14@-300.2,-2025.59
  Signal Layer 1 w10: v1(-822.01,-833.82) -791.38,-833.82 -669.49,-955.72 -669.49,-1279.33 -661.04,-1287.78 -661.04,-1419.39 -665.55,-1423.9 -665.55,-1425.63 -669.29,-1429.37 -669.29,-1532.15 -623.82,-1577.62 -623.82,-1705.01 -626.18,-1707.37 -626.18,-1896.17 -547.3,-1975.05 -470.05,-1975.05 v1(-467.97,-1972.97)
  Bottom Layer w10: v1(-822.01,-833.82) -767.98,-833.82 R33.1@-765.19,-836.61
NetR34_1: R34.1 U3.42 | length 1256.8
  Top Layer w10: v1(-659.45,-610.24) -610.94,-610.24 -581.41,-639.76 U3.42@-543.31,-639.76
  Signal Layer 1 w20: v1(-1397.64,-925.2) -1262.22,-925.2 -1214.41,-877.39 -1214.41,-619.92 -1145.11,-550.62 -877.07,-550.62 -848.63,-522.18 -824.6,-522.18 -739.07,-607.71 -661.98,-607.71 v1(-659.45,-610.24)
  Bottom Layer w20: R34.1@-1433.63,-925.2 v1(-1397.64,-925.2)
NetR35_1: R35.1 U3.40 | length 1188.5
  Top Layer w10: v1(-657.83,-549.56) -642.92,-549.56 -630.39,-562.09 -611,-562.09 -572.7,-600.39 U3.40@-543.31,-600.39
  Signal Layer 2 w20: v1(-1393.7,-55.12) -1391.7,-57.12 -1391.7,-97.67 -1293.08,-196.29 -920.18,-196.29 -866.15,-250.32 -838.58,-250.32 -712.6,-376.31 -712.6,-494.79 v1(-657.83,-549.56)
  Bottom Layer w20: v1(-1393.7,-55.12) R35.1@-1374.57,-55.12
NetR37_2: R37.2 U1.24 | length 205.6
  Top Layer w10: v1(-255.9,-1840.55) -255.9,-1820.87 -246.06,-1811.02 U1.24@-184.06,-1811.02
  Bottom Layer w10: R37.2@-317.49,-1909.46 -295.28,-1909.46 -289.75,-1903.92 -289.75,-1899.51 -275.69,-1885.45 -271.28,-1885.45 -255.9,-1870.08 v1(-255.9,-1840.55)
NetR38_2: R38.2 U1.25 | length 165.4
  Top Layer w10: v1(-285.43,-1811.02) -265.75,-1791.34 U1.25@-184.06,-1791.34
  Bottom Layer w10: R38.2@-317.49,-1840.56 -295.28,-1840.56 -285.43,-1830.71 v1(-285.43,-1811.02)
NetR42_1: R42.1 U3.37 | length 1741.2
  Top Layer w10: v1(-659.45,-492.12) -652.27,-492.12 -616.31,-528.09 -596.92,-528.09 -583.67,-541.34 U3.37@-543.31,-541.34
  Signal Layer 1 w20: v1(-1889.76,-925.2) -1438.65,-925.2 -1409.65,-896.2 -1385.63,-896.2 -1383.63,-898.2 -1295.83,-898.2 -1241.41,-843.77 -1241.41,-608.74 -1156.29,-523.62 -888.25,-523.62 -859.81,-495.18 -813.42,-495.18 -784.98,-523.62 -690.94,-523.62 v1(-659.45,-492.12)
  Bottom Layer w20: R42.1@-1921.82,-925.2 v1(-1889.76,-925.2)
NetR43_1: R43.1 U3.35 | length 1710.4
  Top Layer w10: v1(-610.24,-476.18) -610.24,-482.28 -598.43,-494.09 -582.83,-494.09 -574.95,-501.97 U3.35@-543.31,-501.97
  Signal Layer 2 w20: v1(-1893.7,-55.12) -1799.21,-149.61 -1526.37,-149.61 -1422.7,-45.93 -1422.7,-43.11 -1405.71,-26.12 -1381.69,-26.12 -1364.7,-43.11 -1364.7,-86.49 -1281.9,-169.29 -908.99,-169.29 -854.96,-223.32 -827.4,-223.32 -685.6,-365.12 -685.6,-400.82 v1(-610.24,-476.18)
  Bottom Layer w20: v1(-1893.7,-55.12) R43.1@-1872.61,-55.12
NetU1_26: U1.26 U3.26 | length 1701.8
  Top Layer w10: v1(-364.17,-1673.22) -364.17,-1698.34 -350.02,-1712.5 -350.02,-1716.91 -295.28,-1771.65 U1.26@-184.06,-1771.65 ; v1(-364.17,-423.23) -350.39,-423.23 -346.08,-418.91 -289.75,-418.91 -285.43,-423.23 U3.26@-244.09,-423.23
  Signal Layer 1 w10: v1(-364.17,-1673.22) -364.17,-1667.8 -383.25,-1648.72 -383.25,-1608.08 -362.22,-1587.05 -362.22,-1142.32 -364.91,-1139.64 -364.91,-1049.34 -362.22,-1046.65 -362.22,-973.42 -424.86,-910.78 -424.86,-802.81 -397.24,-775.19 -378.37,-775.19 -353.28,-750.09 -353.28,-501.95 -364.17,-491.05 v1(-364.17,-423.23)
NetU1_27: U1.27 U3.25 | length 1585.4
  Top Layer w10: v1(-334.65,-1692.91) -275.59,-1751.97 U1.27@-184.06,-1751.97 ; v1(-334.65,-442.91) U3.25@-244.09,-442.91
  Signal Layer 1 w10: v1(-334.65,-1692.91) -334.65,-1529.95 -345.22,-1519.37 -345.22,-1135.28 -347.91,-1132.6 -347.91,-1056.38 -345.22,-1053.7 -345.22,-966.38 -363.12,-948.48 -363.12,-890.17 -407.86,-845.43 -407.86,-816.83 -393.8,-802.77 -381.92,-802.77 -336.28,-757.13 -336.28,-509.03 -334.65,-507.4 v1(-334.65,-442.91)
NetU1_33: U1.33 U3.12 | length 1184.8
  Top Layer w10: v1(-381.89,-830.71) -381.89,-824.8 -354.33,-797.24 -327.52,-797.24 -303.28,-773.01 -303.28,-724.12 -277.98,-698.82 U3.12@-244.09,-698.82 ; U1.33@-260.83,-1576.77 -260.83,-1530.51 v1(-226.38,-1496.06)
  Signal Layer 1 w10: v1(-381.89,-830.71) -379.92,-830.71 -346.12,-864.51 -346.12,-941.44 -328.22,-959.33 -328.22,-1060.74 -330.91,-1063.42 -330.91,-1125.55 -328.22,-1128.24 -328.22,-1512.33 -289.37,-1551.18 -251.97,-1551.18 -226.38,-1525.59 v1(-226.38,-1496.06)
NetU1_34: U1.34 U3.22 | length 1160.7
  Top Layer w10: v1(-295.28,-501.97) U3.22@-244.09,-501.97 ; U1.34@-280.51,-1576.77 v1(-280.51,-1515.75)
  Signal Layer 1 w10: v1(-295.28,-501.97) -295.28,-507.4 -319.28,-531.4 -319.28,-887.7 -327.15,-895.57 -327.15,-936.36 -311.22,-952.29 -311.22,-1067.78 -313.91,-1070.46 -313.91,-1118.51 -311.22,-1121.2 -311.22,-1444.4 -296.91,-1458.71 -296.91,-1499.35 v1(-280.51,-1515.75)
NetU1_35: U1.35 U3.20 | length 1159.9
  Top Layer w10: U1.35@-300.2,-1576.77 -300.2,-1530.51 -299.94,-1530.26 -304.51,-1525.69 -304.51,-1505.81 -290.45,-1491.75 -270.57,-1491.75 v1(-255.2,-1476.38) ; v1(-295.28,-541.34) U3.20@-244.09,-541.34
  Signal Layer 1 w10: v1(-295.28,-541.34) -295.28,-830.71 -295.51,-830.71 -270.02,-856.2 -270.02,-955.71 -294.22,-979.91 -294.22,-1074.82 -296.91,-1077.51 -296.91,-1111.47 -294.22,-1114.16 -294.22,-1437.36 v1(-255.2,-1476.38)
NetU1_36: U1.36 U3.18 | length 1137.2
  Top Layer w10: U1.36@-319.88,-1576.77 -319.88,-1543.31 -321.51,-1541.68 -321.51,-1488.42 v1@-258.08,-1424.99 ; U3.18@-244.09,-580.71 v1(-196.85,-580.71) v1@-191.42,-580.71
  Signal Layer 1 w10: v1(-255.91,-1427.17) -277.22,-1405.85 -277.22,-1107.11 -279.91,-1104.43 -279.91,-1084.55 -277.22,-1081.86 -277.22,-986.95 -253.02,-962.75 -253.02,-819.53 -271.13,-801.41 -271.13,-701.51 -209.99,-640.37 -209.99,-604.76 -196.85,-591.62 v1(-196.85,-580.71)
NetU1_41: U1.41 U3.21 | length 1418
  Top Layer w10: U1.41@-418.31,-1576.77 -418.31,-1549.48 -410.91,-1542.09 -410.91,-1525.08 -288.99,-1403.17 -182.7,-1403.17 v1(-157.48,-1377.95) ; U3.21@-244.09,-521.65 -216.8,-521.65 -191.21,-496.06 v1(-173.23,-496.06)
  Signal Layer 1 w10: v1(-173.23,-496.06) -173.23,-526.07 -165.73,-533.56 -165.73,-549.31 -144.99,-570.05 -144.99,-588.78 -133.48,-600.3 -133.48,-635.98 -220.13,-722.63 -220.13,-780.29 -202.02,-798.4 -202.02,-969.79 -195.22,-976.59 -195.22,-1029.93 -200.92,-1035.64 -200.92,-1067.45 -197.91,-1070.46 -197.91,-1118.51 -200.92,-1121.53 -200.92,-1299.36 -171.64,-1328.64 -171.64,-1363.79 v1(-157.48,-1377.95)
NetU1_42: U1.42 U3.19 | length 1316.9
  Top Layer w10: U1.42@-437.99,-1576.77 -437.99,-1545.12 -427.91,-1535.04 -427.91,-1510.59 -295.27,-1377.95 v1(-216.54,-1377.95) ; U3.19@-244.09,-561.02 -211.11,-561.02 -206.79,-556.71 -204.08,-556.71 -192.91,-545.54 v1(-192.91,-547.24)
  Signal Layer 1 w10: v1(-216.54,-1377.95) -205.64,-1367.05 -205.64,-1342.72 -236.22,-1312.14 -236.22,-1108.74 -231.91,-1104.43 -231.91,-1084.55 -236.22,-1080.23 -236.22,-1037.88 -260.22,-1013.88 -260.22,-994 -236.02,-969.79 -236.02,-812.49 -254.13,-794.37 -254.13,-708.55 -192.99,-647.41 -192.99,-611.81 -172.85,-591.67 -172.85,-570.77 -192.91,-550.71 v1(-192.91,-547.24)
NetU1_43: U1.43 U3.17 | length 1463.5
  Top Layer w10: U1.43@-457.68,-1576.77 -457.68,-1540.77 -444.91,-1528 -444.91,-1498.54 -298.21,-1351.83 -205.69,-1351.83 -192.43,-1338.58 v1(-147.64,-1338.58) ; U3.17@-244.09,-600.39 -211.11,-600.39 -206.79,-604.71 -186.91,-604.71 -145.43,-563.23 -145.67,-562.99 -141.73,-559.06 v1(-141.73,-539.37)
  Signal Layer 1 w10: v1(-147.64,-1338.58) -147.64,-1299.43 -183.92,-1263.14 -183.92,-1128.57 -180.91,-1125.55 -180.91,-1075.79 -178.22,-1073.11 -178.22,-798.16 -203.13,-773.24 -203.13,-729.67 -116.48,-643.02 -116.48,-593.25 -127.99,-581.74 -127.99,-553.11 v1(-141.73,-539.37)
NetU1_51: U1.51 U3.16 | length 1554.4
  Top Layer w10: U1.51@-632.87,-1692.91 -531.5,-1692.91 -521.66,-1702.75 v1(-511.81,-1702.75) ; U3.16@-244.09,-620.08 -215.46,-620.08 -213.83,-621.71 -168.95,-621.71 v1(-157.48,-610.24)
  Signal Layer 1 w10: v1(-187.01,-1437.01) -184.74,-1434.74 -184.74,-1394.48 -188.64,-1390.58 -188.64,-1335.68 -219.22,-1305.1 -219.22,-1115.79 -214.91,-1111.47 -214.91,-1077.51 -219.22,-1073.19 -219.22,-1029.89 -212.22,-1022.89 -212.22,-983.63 -219.02,-976.83 -219.02,-805.45 -237.13,-787.33 -237.13,-715.59 -157.48,-635.94 v1(-157.48,-610.24)
  Signal Layer 2 w10: v1(-511.81,-1702.75) -497.55,-1702.75 -304.51,-1509.71 -304.51,-1491.75 -265.14,-1452.38 -247.18,-1452.38 -231.81,-1437.01 v1(-187.01,-1437.01)
NetU1_53: U1.53 U3.6 | length 1397.5
  Top Layer w10: U1.53@-632.87,-1732.28 -570.86,-1732.28 v1(-551.18,-1751.97) ; v1(-444.88,-925.19) -444.88,-933.07 -443.66,-931.85 -443.66,-910.62 -404.38,-871.33 -399.25,-871.33 -398.87,-871.71 -333.52,-871.71 -278.74,-816.93 U3.6@-244.09,-816.93
  Signal Layer 1 w10: v1(-444.88,-925.19) -383.68,-986.39 -383.68,-1398.89 -400.25,-1415.45 -400.25,-1667.75 -392.07,-1675.93 -392.07,-1704.39 v1(-374.02,-1722.44)
  Signal Layer 2 w10: v1(-551.18,-1751.97) -541.33,-1761.81 -413.39,-1761.81 -399.98,-1748.41 -399.51,-1748.41 -385.45,-1734.35 -385.45,-1733.87 v1(-374.02,-1722.44)
NetU1_61: U1.61 U401.4 | length 1769.1
  Top Layer w10: U1.61@-632.87,-1889.76 -570.81,-1889.76 -434.16,-1753.12 -434.16,-1696.13 v1@-437.39,-1692.91
  Signal Layer 1 w10: v1(-574.65,-940.26) -563.53,-929.13 -545.65,-929.13 -525.97,-948.82 -525.97,-974.37 -538.65,-987.05 -538.65,-1342.16 -526.13,-1354.69 -526.13,-1374.37 -434.25,-1466.25 -434.25,-1681.83 -433.07,-1683.01 v1(-433.07,-1692.91)
  Bottom Layer w10: v1(-574.65,-940.26) -574.65,-889.61 -550.81,-865.77 -550.81,-835.44 -535.43,-820.06 -535.43,-564.48 -498.13,-527.18 -478.25,-527.18 -464.19,-541.24 -464.19,-566.55 -480.32,-582.68 -480.32,-614.17 -473.43,-621.06 U401.4@-449.61,-621.06
NetU1_62: U1.62 U401.1 | length 1441.2
  Top Layer w10: U1.62@-632.87,-1909.45 -566.45,-1909.45 -409.45,-1752.44 v1(-409.45,-1724.41)
  Signal Layer 1 w10: v1(-501.97,-954.72) -501.97,-974.41 -521.65,-994.09 -521.65,-1335.12 -509.13,-1347.65 -509.13,-1367.33 -417.25,-1459.21 -417.25,-1674.79 -409.07,-1682.97 v1@-409.07,-1716.85
  Bottom Layer w10: v1(-501.97,-954.72) -512.19,-944.5 -512.19,-894.87 -501.43,-884.12 -501.43,-792.77 -496.06,-787.4 ; -496.3,-787.16 -496.06,-786.92 -496.06,-708.66 -485.24,-697.83 U401.1@-449.61,-697.83
NRST: C32.2 P2.5 U1.7 | length 1122.1
  Top Layer w10: P2.5@-748.03,-1702.76 -787.59,-1663.2 -787.59,-1607.63 -775.03,-1595.07 C32.2@-775.03,-1525.59 -748.03,-1525.59 -742.87,-1530.75 -742.87,-1550.43 v1(-728.35,-1564.96) ; U1.7@-437.99,-2025.59 -437.99,-2067.15 -418.53,-2086.61 v1(-393.7,-2086.61)
  Signal Layer 1 w10: v1(-728.35,-1564.96) -724.03,-1560.65 -688.88,-1560.65 -657.82,-1591.7 -657.82,-1690.93 -660.18,-1693.29 -660.18,-1928.4 -501.97,-2086.61 v1(-393.7,-2086.61)
RX_SCL_MOSI: P3.6 U1.23 U1.29 U1.38 | length 836.2
  Top Layer w10: v1(-359.25,-1638.78) U1.38@-359.25,-1576.77 ; v1(-265.75,-1909.45) -265.75,-1884.33 -231.9,-1850.49 -231.9,-1846.08 -216.54,-1830.71 U1.23@-184.06,-1830.71 ; v1(-255.91,-1712.6) U1.29@-184.06,-1712.6
  Signal Layer 1 w10: v1(-265.75,-1909.45) -226.38,-1870.08 -226.38,-1820.87 -255.91,-1791.34 v1(-255.91,-1712.6)
  Signal Layer 2 w10: v1(-359.25,-1638.78) -329.72,-1638.78 v1(-255.91,-1712.6)
  Bottom Layer w10: v1(-255.91,-1712.6) -127.95,-1712.6 P3.6@-68.9,-1653.54
SH1_N: R49.2 R53.4 | length 1385.5
  Signal Layer 2 w8: v1(-1980.32,-543.31) -1988.19,-551.18 -1988.19,-570.87 -1963.36,-595.69 -1235.02,-595.69 -1183.38,-544.06 -863.31,-544.06 -855.26,-552.11 -854.33,-551.18 v1(-836.61,-551.18)
  Bottom Layer w8: v1(-1980.32,-543.31) -1975.1,-538.09 R53.4@-1898.43,-538.09 ; v1(-836.61,-551.18) -808.56,-551.18 -779.03,-521.65 R49.2@-765.19,-521.65
SH1_P: R48.2 R53.3 | length 1412.1
  Signal Layer 2 w8: v1(-2011.32,-543.31) -2003.32,-551.31 -2003.32,-552.83 -2003.19,-552.96 -2003.19,-577.08 -1969.58,-610.69 -1228.8,-610.69 -1177.17,-559.06 -869.53,-559.06 -846.4,-582.18 v1(-834.94,-582.18)
  Bottom Layer w8: R53.3@-2093.7,-538.09 -2016.53,-538.09 v1(-2011.32,-543.31) ; v1(-834.94,-582.18) -797.24,-582.18 -779.03,-600.39 R48.2@-765.19,-600.39